# KiCad board ClockFOUR.kicad_pcb (continued)
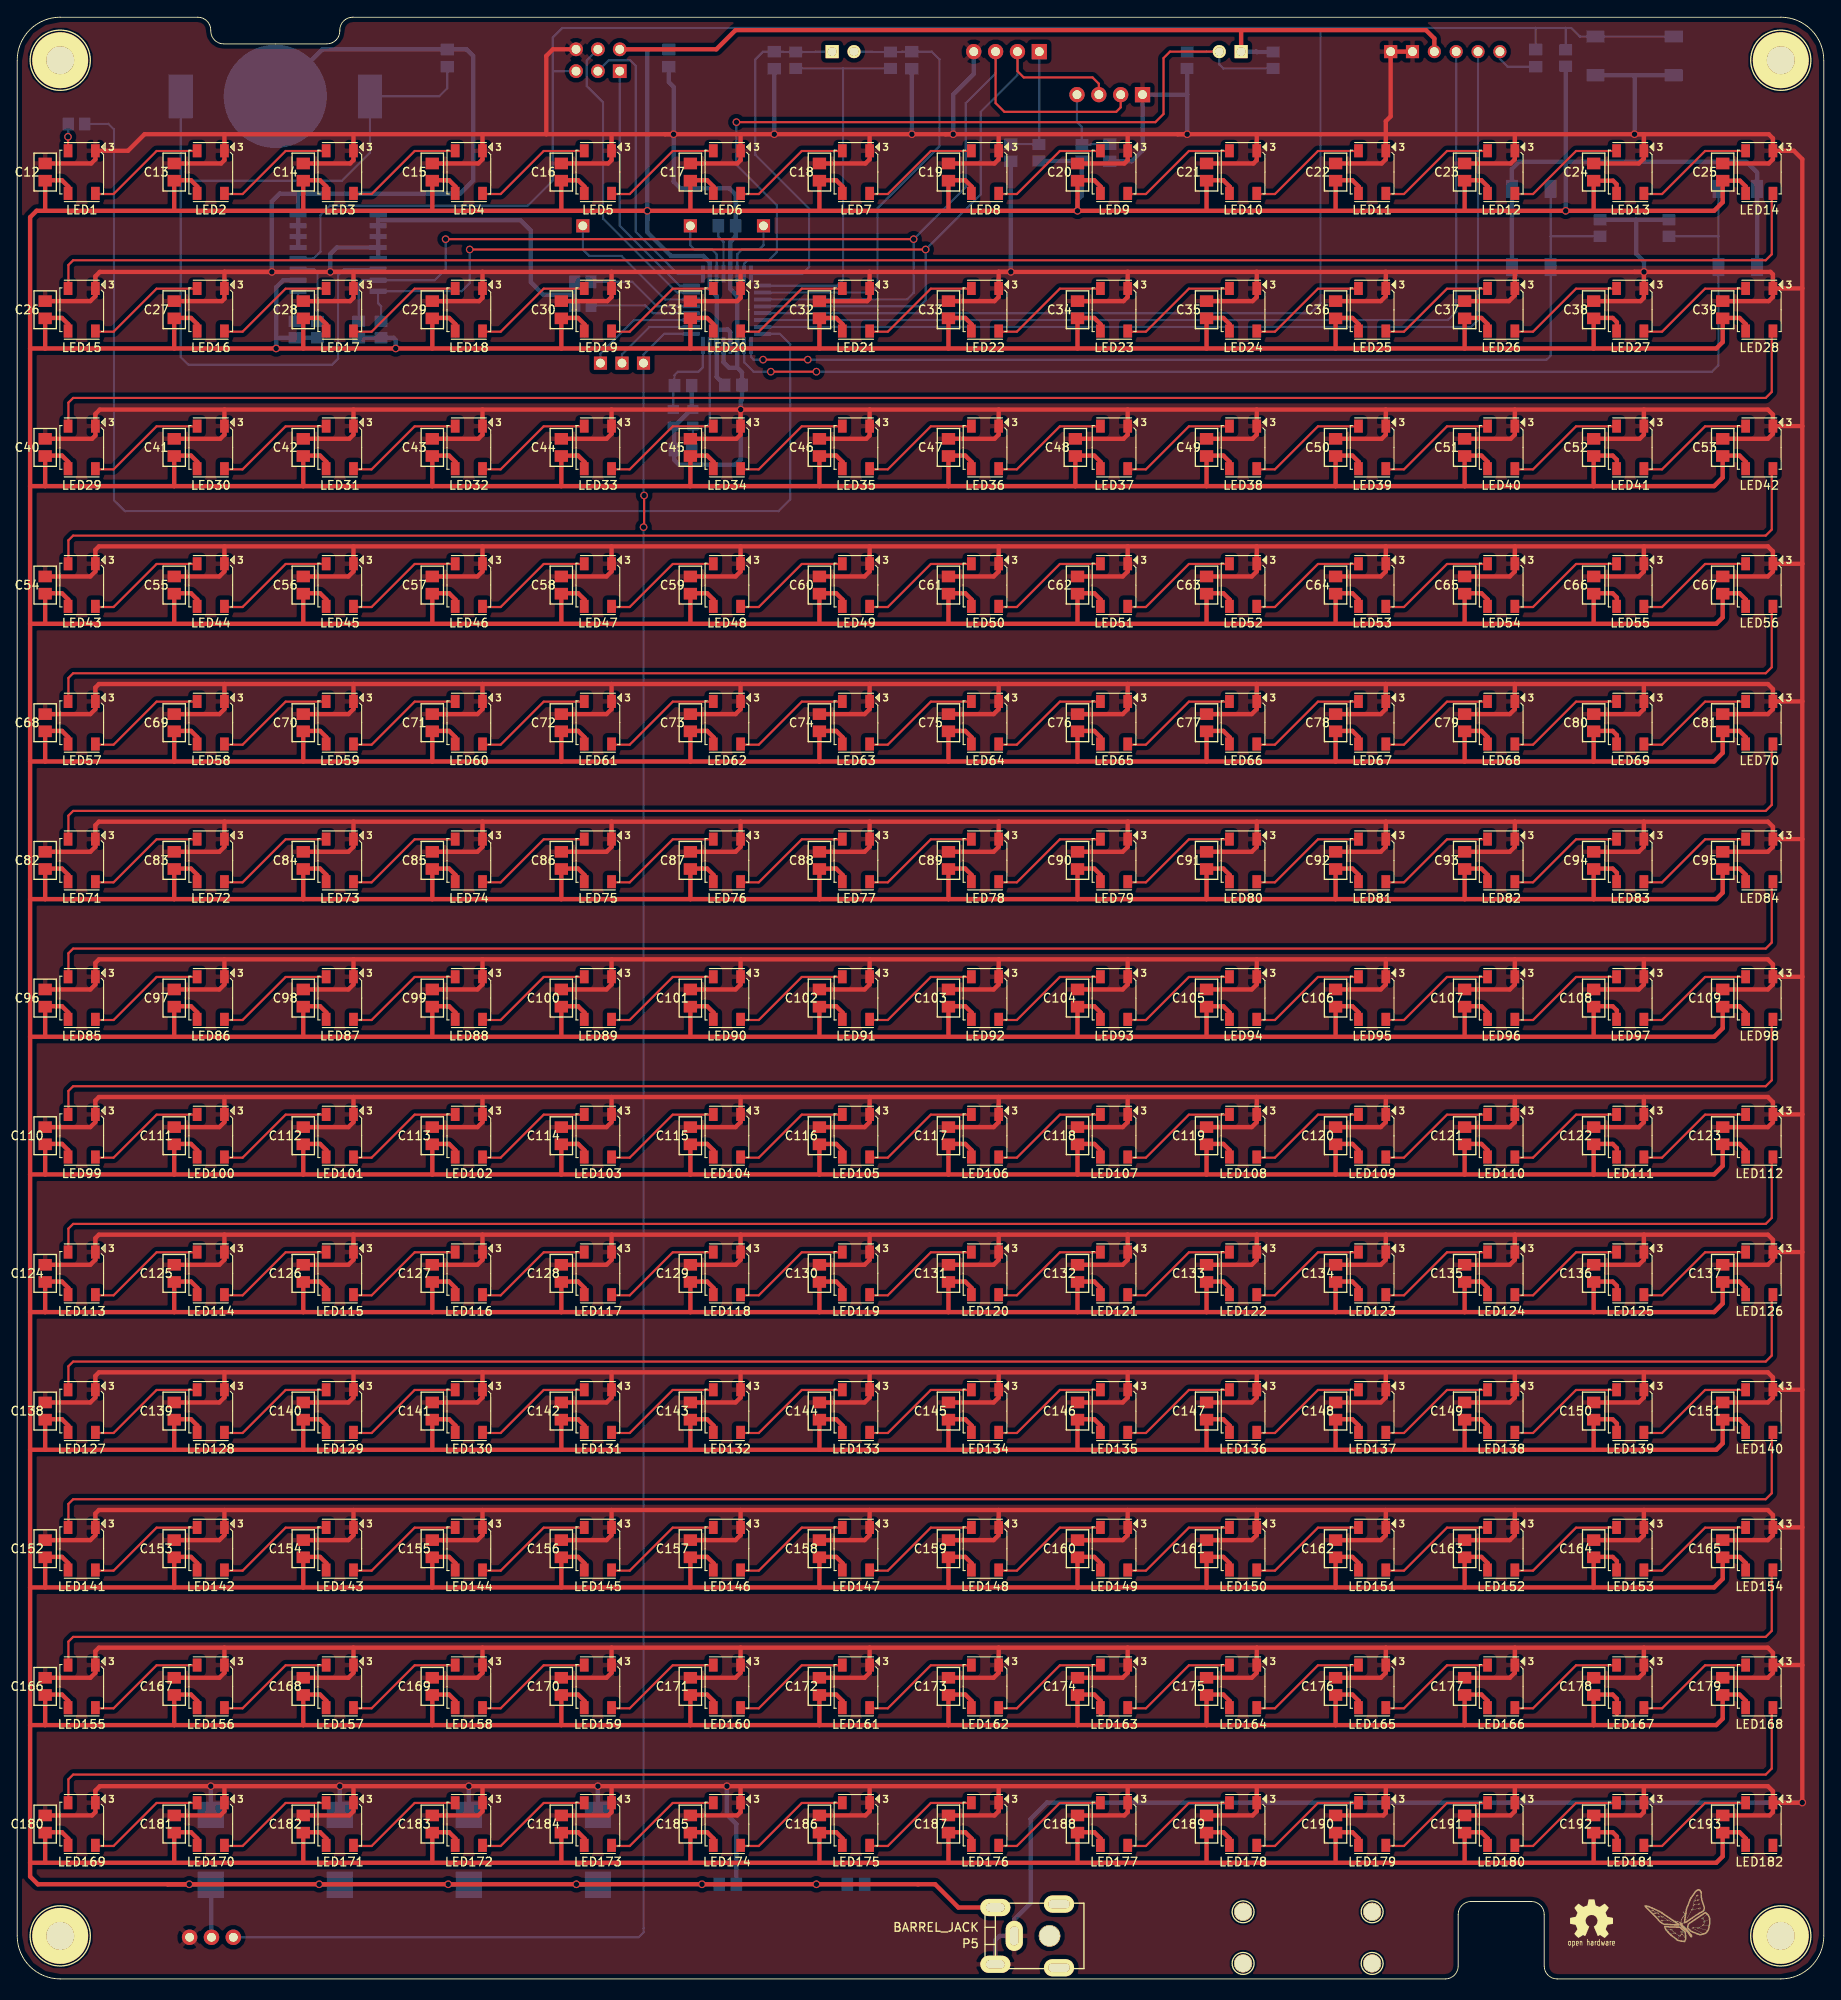
[diagram p0: board, top side]
## Routing (per net, layer and track width the routed paths; a pad name or vN(x,y) marks a point on that pad's centre or on a via; arc(x,y) is an arc through that point) (continued)
/Row_E/DI_E: length 208.3
  Top w0.254: 203.95,159.45 203.95,152.45 203.25,151.75 6.5,151.75 5.95,151.2 5.95,148.45
/Row_F/DI_F: length 208.3
  Top w0.254: 203.95,143.45 203.95,136.45 203.25,135.75 6.5,135.75 5.95,135.2 5.95,132.45
/Row_G/DI_G: length 208.3
  Top w0.254: 203.95,127.45 203.95,120.45 203.25,119.75 6.5,119.75 5.95,119.2 5.95,116.45
/Row_H/DI_H: length 208.3
  Top w0.254: 203.95,111.45 203.95,104.45 203.25,103.75 6.5,103.75 5.95,103.2 5.95,100.45
/Row_I/DI_I: length 208.3
  Top w0.254: 203.95,95.45 203.95,88.45 203.25,87.75 6.5,87.75 5.95,87.2 5.95,84.45
/Row_J/DI_J: length 208.3
  Top w0.254: 203.95,79.45 203.95,72.45 203.25,71.75 6.5,71.75 5.95,71.2 5.95,68.45
/Row_K/DI_K: length 208.3
  Top w0.254: 203.95,63.45 203.95,56.45 203.25,55.75 6.5,55.75 5.95,55.2 5.95,52.45
/Row_L/DI_L: length 208.3
  Top w0.254: 203.95,47.45 203.95,40.45 203.25,39.75 6.5,39.75 5.95,39.2 5.95,36.45
/Row_M/DI_M: length 208.3
  Top w0.254: 203.95,31.45 203.95,24.45 203.25,23.75 6.5,23.75 5.95,23.2 5.95,20.45
/RXD: length 111.3
  Bottom w0.254: U1.30 166.3,192.8 167.27,193.77 P2.4
/SCK: length 34.3
  Bottom w0.254: P1.3 68.77,223 71.25,223 71.9,222.35 71.9,203.05 76.8,198.15 U1.17
/SCL: length 137.8
  Top w0.254: v1(105.6,201) v1(52.6,201) ; P9.3 116.27,221.73 117,221 125,221 125.73,220.27 P7.2
  Bottom w0.254: P9.3 116.27,221.27 112,217 112,207.4 v1(105.6,201) 105.6,195.1 104.9,194.4 U1.28 ; R8.2 42.3,194.4 41.95,194.75 U2.16 51.66,196.16 52.6,197.1 v1(52.6,201)
/SDA: length 147.4
  Top w0.254: v1(104.2,202.2) v1(49.8,202.2) ; P9.2 113.73,218.02 114.75,217 127.75,217 128.27,217.52 P7.3
  Bottom w0.254: 40.12,197.43 U2.15 ; 40.12,197.43 39.7,197 R9.2 ; 40.12,197.43 U2.15 ; U2.15 48.53,197.43 49.8,198.7 v1(49.8,202.2) ; P9.2 113.73,221.48 110.25,218 110.25,208.25 v1(104.2,202.2) 104.2,195.95 103.45,195.2 U1.27
/SENSE_PIN: length 45.2
  Bottom w0.254: 96,222.05 R3.2 ; 96,222.05 96,197.5 95.3,196.8 U1.25 ; 96,222.05 R4.1
/SW_L: length 119.8
  Top w0.254: v1(86.7,188.2) v1(91.9,188.2)
  Bottom w0.254: 178.25,202.55 SW2.2 ; 178.25,202.55 R10.1 ; 178.25,202.55 SW2.2 178.25,188.65 177.8,188.2 v1(91.9,188.2) ; v1(86.7,188.2) 85.6,188.2 85.3,188.5 U1.1
/SW_R: length 142.2
  Top w0.254: v1(87.6,186.8) v1(92.9,186.8)
  Bottom w0.254: 197.75,202.55 SW3.2 197.75,187.55 197,186.8 v1(92.9,186.8) ; 197.75,202.55 R11.1 ; 197.75,202.55 SW3.2 ; v1(87.6,186.8) 85.6,186.8 84.5,187.9 U1.2
/TXD: length 114.7
  Bottom w0.254: U1.31 169,192 169.81,192.81 P2.5
Net-(C5-Pad1): length 13.9
  Bottom w0.254: C5.1 78.54,177.89 X1.1 80.2,180.5 80.5,180.8 U1.7
Net-(C6-Pad2): length 5.4
  Bottom w0.254: P2.6 172.35,223.15 173.25,222.25 C6.2
Net-(C7-Pad2): length 10.3
  Bottom w0.254: U1.8 79.7,187.3 79.2,186.8 76.8,186.8 76.4,186.4 C7.2 76.26,185.06 X1.2
Net-(LED1-Pad2): length 14.1
  Top w0.254: 8.95,207.45 11.2,207.45 16.2,212.45 20.95,212.45
Net-(LED2-Pad2): length 14.1
  Top w0.254: 35.95,212.45 31.2,212.45 26.2,207.45 23.95,207.45
Net-(LED3-Pad2): length 14.1
  Top w0.254: 38.95,207.45 41.2,207.45 46.2,212.45 50.95,212.45
Net-(LED4-Pad2): length 14.1
  Top w0.254: 65.95,212.45 61.2,212.45 56.2,207.45 53.95,207.45
Net-(LED5-Pad2): length 14.1
  Top w0.254: 68.95,207.45 71.2,207.45 76.2,212.45 80.95,212.45
Net-(LED6-Pad2): length 14.1
  Top w0.254: 95.95,212.45 91.2,212.45 86.2,207.45 83.95,207.45
Net-(LED7-Pad2): length 14.1
  Top w0.254: 98.95,207.45 101.2,207.45 106.2,212.45 110.95,212.45
Net-(LED8-Pad2): length 14.1
  Top w0.254: 125.95,212.45 121.2,212.45 116.2,207.45 113.95,207.45
Net-(LED10-Pad2): length 14.1
  Top w0.254: 155.95,212.45 151.2,212.45 146.2,207.45 143.95,207.45
Net-(LED10-Pad4): length 14.1
  Top w0.254: 128.95,207.45 131.2,207.45 136.2,212.45 140.95,212.45
Net-(LED11-Pad2): length 14.1
  Top w0.254: 158.95,207.45 161.2,207.45 166.2,212.45 170.95,212.45
Net-(LED12-Pad2): length 14.1
  Top w0.254: 185.95,212.45 181.2,212.45 176.2,207.45 173.95,207.45
Net-(LED13-Pad2): length 14.1
  Top w0.254: 188.95,207.45 191.2,207.45 196.2,212.45 200.95,212.45
Net-(LED15-Pad2): length 14.1
  Top w0.254: 8.95,191.45 11.2,191.45 16.2,196.45 20.95,196.45
Net-(LED16-Pad2): length 14.1
  Top w0.254: 35.95,196.45 31.2,196.45 26.2,191.45 23.95,191.45
Net-(LED17-Pad2): length 14.1
  Top w0.254: 38.95,191.45 41.2,191.45 46.2,196.45 50.95,196.45
Net-(LED18-Pad2): length 14.1
  Top w0.254: 65.95,196.45 61.2,196.45 56.2,191.45 53.95,191.45
Net-(LED19-Pad2): length 14.1
  Top w0.254: 68.95,191.45 71.2,191.45 76.2,196.45 80.95,196.45
Net-(LED20-Pad2): length 14.1
  Top w0.254: 95.95,196.45 91.2,196.45 86.2,191.45 83.95,191.45
Net-(LED21-Pad2): length 14.1
  Top w0.254: 98.95,191.45 101.2,191.45 106.2,196.45 110.95,196.45
Net-(LED22-Pad2): length 14.1
  Top w0.254: 125.95,196.45 121.2,196.45 116.2,191.45 113.95,191.45
Net-(LED23-Pad2): length 14.1
  Top w0.254: 128.95,191.45 131.2,191.45 136.2,196.45 140.95,196.45
Net-(LED24-Pad2): length 14.1
  Top w0.254: 155.95,196.45 151.2,196.45 146.2,191.45 143.95,191.45
Net-(LED25-Pad2): length 14.1
  Top w0.254: 158.95,191.45 161.2,191.45 166.2,196.45 170.95,196.45
Net-(LED26-Pad2): length 14.1
  Top w0.254: 185.95,196.45 181.2,196.45 176.2,191.45 173.95,191.45
Net-(LED27-Pad2): length 14.1
  Top w0.254: 188.95,191.45 191.2,191.45 196.2,196.45 200.95,196.45
Net-(LED29-Pad2): length 14.1
  Top w0.254: 8.95,175.45 11.2,175.45 16.2,180.45 20.95,180.45
Net-(LED30-Pad2): length 14.1
  Top w0.254: 35.95,180.45 31.2,180.45 26.2,175.45 23.95,175.45
Net-(LED31-Pad2): length 14.1
  Top w0.254: 38.95,175.45 41.2,175.45 46.2,180.45 50.95,180.45
Net-(LED32-Pad2): length 14.1
  Top w0.254: 65.95,180.45 61.2,180.45 56.2,175.45 53.95,175.45
Net-(LED33-Pad2): length 14.1
  Top w0.254: 68.95,175.45 71.2,175.45 76.2,180.45 80.95,180.45
Net-(LED34-Pad2): length 14.1
  Top w0.254: 95.95,180.45 91.2,180.45 86.2,175.45 83.95,175.45
Net-(LED35-Pad2): length 14.1
  Top w0.254: 98.95,175.45 101.2,175.45 106.2,180.45 110.95,180.45
Net-(LED36-Pad2): length 14.1
  Top w0.254: 125.95,180.45 121.2,180.45 116.2,175.45 113.95,175.45
Net-(LED37-Pad2): length 14.1
  Top w0.254: 128.95,175.45 131.2,175.45 136.2,180.45 140.95,180.45
Net-(LED38-Pad2): length 14.1
  Top w0.254: 155.95,180.45 151.2,180.45 146.2,175.45 143.95,175.45
Net-(LED39-Pad2): length 14.1
  Top w0.254: 158.95,175.45 161.2,175.45 166.2,180.45 170.95,180.45
Net-(LED40-Pad2): length 14.1
  Top w0.254: 185.95,180.45 181.2,180.45 176.2,175.45 173.95,175.45
Net-(LED41-Pad2): length 14.1
  Top w0.254: 188.95,175.45 191.2,175.45 196.2,180.45 200.95,180.45
Net-(LED43-Pad2): length 14.1
  Top w0.254: 8.95,159.45 11.2,159.45 16.2,164.45 20.95,164.45
Net-(LED44-Pad2): length 14.1
  Top w0.254: 35.95,164.45 31.2,164.45 26.2,159.45 23.95,159.45
Net-(LED45-Pad2): length 14.1
  Top w0.254: 38.95,159.45 41.2,159.45 46.2,164.45 50.95,164.45
Net-(LED46-Pad2): length 14.1
  Top w0.254: 65.95,164.45 61.2,164.45 56.2,159.45 53.95,159.45
Net-(LED47-Pad2): length 14.1
  Top w0.254: 68.95,159.45 71.2,159.45 76.2,164.45 80.95,164.45
Net-(LED48-Pad2): length 14.1
  Top w0.254: 95.95,164.45 91.2,164.45 86.2,159.45 83.95,159.45
Net-(LED49-Pad2): length 14.1
  Top w0.254: 98.95,159.45 101.2,159.45 106.2,164.45 110.95,164.45
Net-(LED50-Pad2): length 14.1
  Top w0.254: 125.95,164.45 121.2,164.45 116.2,159.45 113.95,159.45
Net-(LED51-Pad2): length 14.1
  Top w0.254: 128.95,159.45 131.2,159.45 136.2,164.45 140.95,164.45
Net-(LED52-Pad2): length 14.1
  Top w0.254: 155.95,164.45 151.2,164.45 146.2,159.45 143.95,159.45
Net-(LED53-Pad2): length 14.1
  Top w0.254: 158.95,159.45 161.2,159.45 166.2,164.45 170.95,164.45
Net-(LED54-Pad2): length 14.1
  Top w0.254: 185.95,164.45 181.2,164.45 176.2,159.45 173.95,159.45
Net-(LED55-Pad2): length 14.1
  Top w0.254: 188.95,159.45 191.2,159.45 196.2,164.45 200.95,164.45
Net-(LED57-Pad2): length 14.1
  Top w0.254: 8.95,143.45 11.2,143.45 16.2,148.45 20.95,148.45
Net-(LED58-Pad2): length 14.1
  Top w0.254: 35.95,148.45 31.2,148.45 26.2,143.45 23.95,143.45
Net-(LED59-Pad2): length 14.1
  Top w0.254: 38.95,143.45 41.2,143.45 46.2,148.45 50.95,148.45
Net-(LED60-Pad2): length 14.1
  Top w0.254: 65.95,148.45 61.2,148.45 56.2,143.45 53.95,143.45
Net-(LED61-Pad2): length 14.1
  Top w0.254: 68.95,143.45 71.2,143.45 76.2,148.45 80.95,148.45
Net-(LED62-Pad2): length 14.1
  Top w0.254: 95.95,148.45 91.2,148.45 86.2,143.45 83.95,143.45
Net-(LED63-Pad2): length 14.1
  Top w0.254: 98.95,143.45 101.2,143.45 106.2,148.45 110.95,148.45
Net-(LED64-Pad2): length 14.1
  Top w0.254: 125.95,148.45 121.2,148.45 116.2,143.45 113.95,143.45
Net-(LED65-Pad2): length 14.1
  Top w0.254: 128.95,143.45 131.2,143.45 136.2,148.45 140.95,148.45
Net-(LED66-Pad2): length 14.1
  Top w0.254: 155.95,148.45 151.2,148.45 146.2,143.45 143.95,143.45
Net-(LED67-Pad2): length 14.1
  Top w0.254: 158.95,143.45 161.2,143.45 166.2,148.45 170.95,148.45
Net-(LED68-Pad2): length 14.1
  Top w0.254: 185.95,148.45 181.2,148.45 176.2,143.45 173.95,143.45
Net-(LED69-Pad2): length 14.1
  Top w0.254: 188.95,143.45 191.2,143.45 196.2,148.45 200.95,148.45
Net-(LED71-Pad2): length 14.1
  Top w0.254: 8.95,127.45 11.2,127.45 16.2,132.45 20.95,132.45
Net-(LED72-Pad2): length 14.1
  Top w0.254: 35.95,132.45 31.2,132.45 26.2,127.45 23.95,127.45
Net-(LED73-Pad2): length 14.1
  Top w0.254: 38.95,127.45 41.2,127.45 46.2,132.45 50.95,132.45
Net-(LED74-Pad2): length 14.1
  Top w0.254: 65.95,132.45 61.2,132.45 56.2,127.45 53.95,127.45
Net-(LED75-Pad2): length 14.1
  Top w0.254: 68.95,127.45 71.2,127.45 76.2,132.45 80.95,132.45
Net-(LED76-Pad2): length 14.1
  Top w0.254: 95.95,132.45 91.2,132.45 86.2,127.45 83.95,127.45
Net-(LED77-Pad2): length 14.1
  Top w0.254: 98.95,127.45 101.2,127.45 106.2,132.45 110.95,132.45
Net-(LED78-Pad2): length 14.1
  Top w0.254: 125.95,132.45 121.2,132.45 116.2,127.45 113.95,127.45
Net-(LED79-Pad2): length 14.1
  Top w0.254: 128.95,127.45 131.2,127.45 136.2,132.45 140.95,132.45
Net-(LED80-Pad2): length 14.1
  Top w0.254: 155.95,132.45 151.2,132.45 146.2,127.45 143.95,127.45
Net-(LED81-Pad2): length 14.1
  Top w0.254: 158.95,127.45 161.2,127.45 166.2,132.45 170.95,132.45
Net-(LED82-Pad2): length 14.1
  Top w0.254: 185.95,132.45 181.2,132.45 176.2,127.45 173.95,127.45
Net-(LED83-Pad2): length 14.1
  Top w0.254: 188.95,127.45 191.2,127.45 196.2,132.45 200.95,132.45
Net-(LED85-Pad2): length 14.1
  Top w0.254: 8.95,111.45 11.2,111.45 16.2,116.45 20.95,116.45
Net-(LED86-Pad2): length 14.1
  Top w0.254: 35.95,116.45 31.2,116.45 26.2,111.45 23.95,111.45
Net-(LED87-Pad2): length 14.1
  Top w0.254: 38.95,111.45 41.2,111.45 46.2,116.45 50.95,116.45
Net-(LED88-Pad2): length 14.1
  Top w0.254: 65.95,116.45 61.2,116.45 56.2,111.45 53.95,111.45
Net-(LED89-Pad2): length 14.1
  Top w0.254: 68.95,111.45 71.2,111.45 76.2,116.45 80.95,116.45
Net-(LED90-Pad2): length 14.1
  Top w0.254: 95.95,116.45 91.2,116.45 86.2,111.45 83.95,111.45
Net-(LED91-Pad2): length 14.1
  Top w0.254: 98.95,111.45 101.2,111.45 106.2,116.45 110.95,116.45
Net-(LED92-Pad2): length 14.1
  Top w0.254: 125.95,116.45 121.2,116.45 116.2,111.45 113.95,111.45
Net-(LED93-Pad2): length 14.1
  Top w0.254: 128.95,111.45 131.2,111.45 136.2,116.45 140.95,116.45
Net-(LED94-Pad2): length 14.1
  Top w0.254: 155.95,116.45 151.2,116.45 146.2,111.45 143.95,111.45
Net-(LED95-Pad2): length 14.1
  Top w0.254: 158.95,111.45 161.2,111.45 166.2,116.45 170.95,116.45
Net-(LED96-Pad2): length 14.1
  Top w0.254: 185.95,116.45 181.2,116.45 176.2,111.45 173.95,111.45
Net-(LED97-Pad2): length 14.1
  Top w0.254: 188.95,111.45 191.2,111.45 196.2,116.45 200.95,116.45
Net-(LED100-Pad2): length 14.1
  Top w0.254: 35.95,100.45 31.2,100.45 26.2,95.45 23.95,95.45
Net-(LED100-Pad4): length 14.1
  Top w0.254: 8.95,95.45 11.2,95.45 16.2,100.45 20.95,100.45
Net-(LED101-Pad2): length 14.1
  Top w0.254: 38.95,95.45 41.2,95.45 46.2,100.45 50.95,100.45
Net-(LED102-Pad2): length 14.1
  Top w0.254: 65.95,100.45 61.2,100.45 56.2,95.45 53.95,95.45
Net-(LED103-Pad2): length 14.1
  Top w0.254: 68.95,95.45 71.2,95.45 76.2,100.45 80.95,100.45
Net-(LED104-Pad2): length 14.1
  Top w0.254: 95.95,100.45 91.2,100.45 86.2,95.45 83.95,95.45
Net-(LED105-Pad2): length 14.1
  Top w0.254: 98.95,95.45 101.2,95.45 106.2,100.45 110.95,100.45
Net-(LED106-Pad2): length 14.1
  Top w0.254: 125.95,100.45 121.2,100.45 116.2,95.45 113.95,95.45
Net-(LED107-Pad2): length 14.1
  Top w0.254: 128.95,95.45 131.2,95.45 136.2,100.45 140.95,100.45
Net-(LED108-Pad2): length 14.1
  Top w0.254: 155.95,100.45 151.2,100.45 146.2,95.45 143.95,95.45
Net-(LED109-Pad2): length 14.1
  Top w0.254: 158.95,95.45 161.2,95.45 166.2,100.45 170.95,100.45
Net-(LED110-Pad2): length 14.1
  Top w0.254: 185.95,100.45 181.2,100.45 176.2,95.45 173.95,95.45
Net-(LED111-Pad2): length 14.1
  Top w0.254: 188.95,95.45 191.2,95.45 196.2,100.45 200.95,100.45
Net-(LED113-Pad2): length 14.1
  Top w0.254: 8.95,79.45 11.2,79.45 16.2,84.45 20.95,84.45
Net-(LED114-Pad2): length 14.1
  Top w0.254: 35.95,84.45 31.2,84.45 26.2,79.45 23.95,79.45
Net-(LED115-Pad2): length 14.1
  Top w0.254: 38.95,79.45 41.2,79.45 46.2,84.45 50.95,84.45
Net-(LED116-Pad2): length 14.1
  Top w0.254: 65.95,84.45 61.2,84.45 56.2,79.45 53.95,79.45
Net-(LED117-Pad2): length 14.1
  Top w0.254: 68.95,79.45 71.2,79.45 76.2,84.45 80.95,84.45
Net-(LED118-Pad2): length 14.1
  Top w0.254: 95.95,84.45 91.2,84.45 86.2,79.45 83.95,79.45
Net-(LED119-Pad2): length 14.1
  Top w0.254: 98.95,79.45 101.2,79.45 106.2,84.45 110.95,84.45
Net-(LED120-Pad2): length 14.1
  Top w0.254: 125.95,84.45 121.2,84.45 116.2,79.45 113.95,79.45
Net-(LED121-Pad2): length 14.1
  Top w0.254: 128.95,79.45 131.2,79.45 136.2,84.45 140.95,84.45
Net-(LED122-Pad2): length 14.1
  Top w0.254: 155.95,84.45 151.2,84.45 146.2,79.45 143.95,79.45
Net-(LED123-Pad2): length 14.1
  Top w0.254: 158.95,79.45 161.2,79.45 166.2,84.45 170.95,84.45
Net-(LED124-Pad2): length 14.1
  Top w0.254: 185.95,84.45 181.2,84.45 176.2,79.45 173.95,79.45
Net-(LED125-Pad2): length 14.1
  Top w0.254: 188.95,79.45 191.2,79.45 196.2,84.45 200.95,84.45
Net-(LED127-Pad2): length 14.1
  Top w0.254: 8.95,63.45 11.2,63.45 16.2,68.45 20.95,68.45
Net-(LED128-Pad2): length 14.1
  Top w0.254: 35.95,68.45 31.2,68.45 26.2,63.45 23.95,63.45
Net-(LED129-Pad2): length 14.1
  Top w0.254: 38.95,63.45 41.2,63.45 46.2,68.45 50.95,68.45
Net-(LED130-Pad2): length 14.1
  Top w0.254: 65.95,68.45 61.2,68.45 56.2,63.45 53.95,63.45
Net-(LED131-Pad2): length 14.1
  Top w0.254: 68.95,63.45 71.2,63.45 76.2,68.45 80.95,68.45
Net-(LED132-Pad2): length 14.1
  Top w0.254: 95.95,68.45 91.2,68.45 86.2,63.45 83.95,63.45
Net-(LED133-Pad2): length 14.1
  Top w0.254: 98.95,63.45 101.2,63.45 106.2,68.45 110.95,68.45
Net-(LED134-Pad2): length 14.1
  Top w0.254: 125.95,68.45 121.2,68.45 116.2,63.45 113.95,63.45
Net-(LED135-Pad2): length 14.1
  Top w0.254: 128.95,63.45 131.2,63.45 136.2,68.45 140.95,68.45
Net-(LED136-Pad2): length 14.1
  Top w0.254: 155.95,68.45 151.2,68.45 146.2,63.45 143.95,63.45
Net-(LED137-Pad2): length 14.1
  Top w0.254: 158.95,63.45 161.2,63.45 166.2,68.45 170.95,68.45
Net-(LED138-Pad2): length 14.1
  Top w0.254: 185.95,68.45 181.2,68.45 176.2,63.45 173.95,63.45
Net-(LED139-Pad2): length 14.1
  Top w0.254: 188.95,63.45 191.2,63.45 196.2,68.45 200.95,68.45
Net-(LED141-Pad2): length 14.1
  Top w0.254: 8.95,47.45 11.2,47.45 16.2,52.45 20.95,52.45
Net-(LED142-Pad2): length 14.1
  Top w0.254: 35.95,52.45 31.2,52.45 26.2,47.45 23.95,47.45
Net-(LED143-Pad2): length 14.1
  Top w0.254: 38.95,47.45 41.2,47.45 46.2,52.45 50.95,52.45
Net-(LED144-Pad2): length 14.1
  Top w0.254: 65.95,52.45 61.2,52.45 56.2,47.45 53.95,47.45
Net-(LED145-Pad2): length 14.1
  Top w0.254: 68.95,47.45 71.2,47.45 76.2,52.45 80.95,52.45
Net-(LED146-Pad2): length 14.1
  Top w0.254: 95.95,52.45 91.2,52.45 86.2,47.45 83.95,47.45
Net-(LED147-Pad2): length 14.1
  Top w0.254: 98.95,47.45 101.2,47.45 106.2,52.45 110.95,52.45
Net-(LED148-Pad2): length 14.1
  Top w0.254: 125.95,52.45 121.2,52.45 116.2,47.45 113.95,47.45
Net-(LED149-Pad2): length 14.1
  Top w0.254: 128.95,47.45 131.2,47.45 136.2,52.45 140.95,52.45
Net-(LED150-Pad2): length 14.1
  Top w0.254: 155.95,52.45 151.2,52.45 146.2,47.45 143.95,47.45
Net-(LED151-Pad2): length 14.1
  Top w0.254: 158.95,47.45 161.2,47.45 166.2,52.45 170.95,52.45
Net-(LED152-Pad2): length 14.1
  Top w0.254: 185.95,52.45 181.2,52.45 176.2,47.45 173.95,47.45
Net-(LED153-Pad2): length 14.1
  Top w0.254: 188.95,47.45 191.2,47.45 196.2,52.45 200.95,52.45
Net-(LED155-Pad2): length 14.1
  Top w0.254: 8.95,31.45 11.2,31.45 16.2,36.45 20.95,36.45
Net-(LED156-Pad2): length 14.1
  Top w0.254: 35.95,36.45 31.2,36.45 26.2,31.45 23.95,31.45
Net-(LED157-Pad2): length 14.1
  Top w0.254: 38.95,31.45 41.2,31.45 46.2,36.45 50.95,36.45
Net-(LED158-Pad2): length 14.1
  Top w0.254: 65.95,36.45 61.2,36.45 56.2,31.45 53.95,31.45
Net-(LED159-Pad2): length 14.1
  Top w0.254: 68.95,31.45 71.2,31.45 76.2,36.45 80.95,36.45
Net-(LED160-Pad2): length 14.1
  Top w0.254: 95.95,36.45 91.2,36.45 86.2,31.45 83.95,31.45
Net-(LED161-Pad2): length 14.1
  Top w0.254: 98.95,31.45 101.2,31.45 106.2,36.45 110.95,36.45
Net-(LED162-Pad2): length 14.1
  Top w0.254: 125.95,36.45 121.2,36.45 116.2,31.45 113.95,31.45
Net-(LED163-Pad2): length 14.1
  Top w0.254: 128.95,31.45 131.2,31.45 136.2,36.45 140.95,36.45
Net-(LED164-Pad2): length 14.1
  Top w0.254: 155.95,36.45 151.2,36.45 146.2,31.45 143.95,31.45
Net-(LED165-Pad2): length 14.1
  Top w0.254: 158.95,31.45 161.2,31.45 166.2,36.45 170.95,36.45
Net-(LED166-Pad2): length 14.1
  Top w0.254: 185.95,36.45 181.2,36.45 176.2,31.45 173.95,31.45
Net-(LED167-Pad2): length 14.1
  Top w0.254: 188.95,31.45 191.2,31.45 196.2,36.45 200.95,36.45
Net-(LED169-Pad2): length 14.1
  Top w0.254: 8.95,15.45 11.2,15.45 16.2,20.45 20.95,20.45
Net-(LED170-Pad2): length 14.1
  Top w0.254: 35.95,20.45 31.2,20.45 26.2,15.45 23.95,15.45
Net-(LED171-Pad2): length 14.1
  Top w0.254: 38.95,15.45 41.2,15.45 46.2,20.45 50.95,20.45
Net-(LED172-Pad2): length 14.1
  Top w0.254: 65.95,20.45 61.2,20.45 56.2,15.45 53.95,15.45
Net-(LED173-Pad2): length 14.1
  Top w0.254: 68.95,15.45 71.2,15.45 76.2,20.45 80.95,20.45
Net-(LED174-Pad2): length 14.1
  Top w0.254: 95.95,20.45 91.2,20.45 86.2,15.45 83.95,15.45
Net-(LED175-Pad2): length 14.1
  Top w0.254: 98.95,15.45 101.2,15.45 106.2,20.45 110.95,20.45
Net-(LED176-Pad2): length 14.1
  Top w0.254: 125.95,20.45 121.2,20.45 116.2,15.45 113.95,15.45
Net-(LED177-Pad2): length 14.1
  Top w0.254: 128.95,15.45 131.2,15.45 136.2,20.45 140.95,20.45
Net-(LED178-Pad2): length 14.1
  Top w0.254: 155.95,20.45 151.2,20.45 146.2,15.45 143.95,15.45
Net-(LED179-Pad2): length 14.1
  Top w0.254: 158.95,15.45 161.2,15.45 166.2,20.45 170.95,20.45
Net-(LED180-Pad2): length 14.1
  Top w0.254: 185.95,20.45 181.2,20.45 176.2,15.45 173.95,15.45
Net-(LED181-Pad2): length 14.1
  Top w0.254: 188.95,15.45 191.2,15.45 196.2,20.45 200.95,20.45
Net-(R6-Pad2): length 8.1
  Bottom w0.254: U2.3 34.5,198.69 34.9,198.3 R6.2
Net-(R7-Pad2): length 3.6
  Bottom w0.254: U2.1 32.65,194.65 32.3,194.3 R7.2
Net-(R12-Pad2): length 12
  Bottom w0.254: U1.12 73.9,193.6 73,194.5 R12.2
Net-(R13-Pad2): length 12.8
  Bottom w0.254: U1.13 74.35,194.4 71.5,197.25 R13.2

## Copper pours and planes (outline as drawn; the poured copper is in the pictures)
GND on Top: 209.5,0.5 0.5,0.5 0.5,227.5 209.5,227.5
GND on Bottom: 209.5,0.5 0.5,0.5 0.5,227.5 209.5,227.5

## Text on the board
B.SilkS: 5V:SCL:SDA:GND | GND:SDA:SCL:5V | D5_5V_GND | USE CABLE TIES TO / ANCHOR POWER CORD | www.wyolum.com | ClockFOUR
